# Altium PCB PCB_B1.PcbDoc (part 1 of 2) (continued)
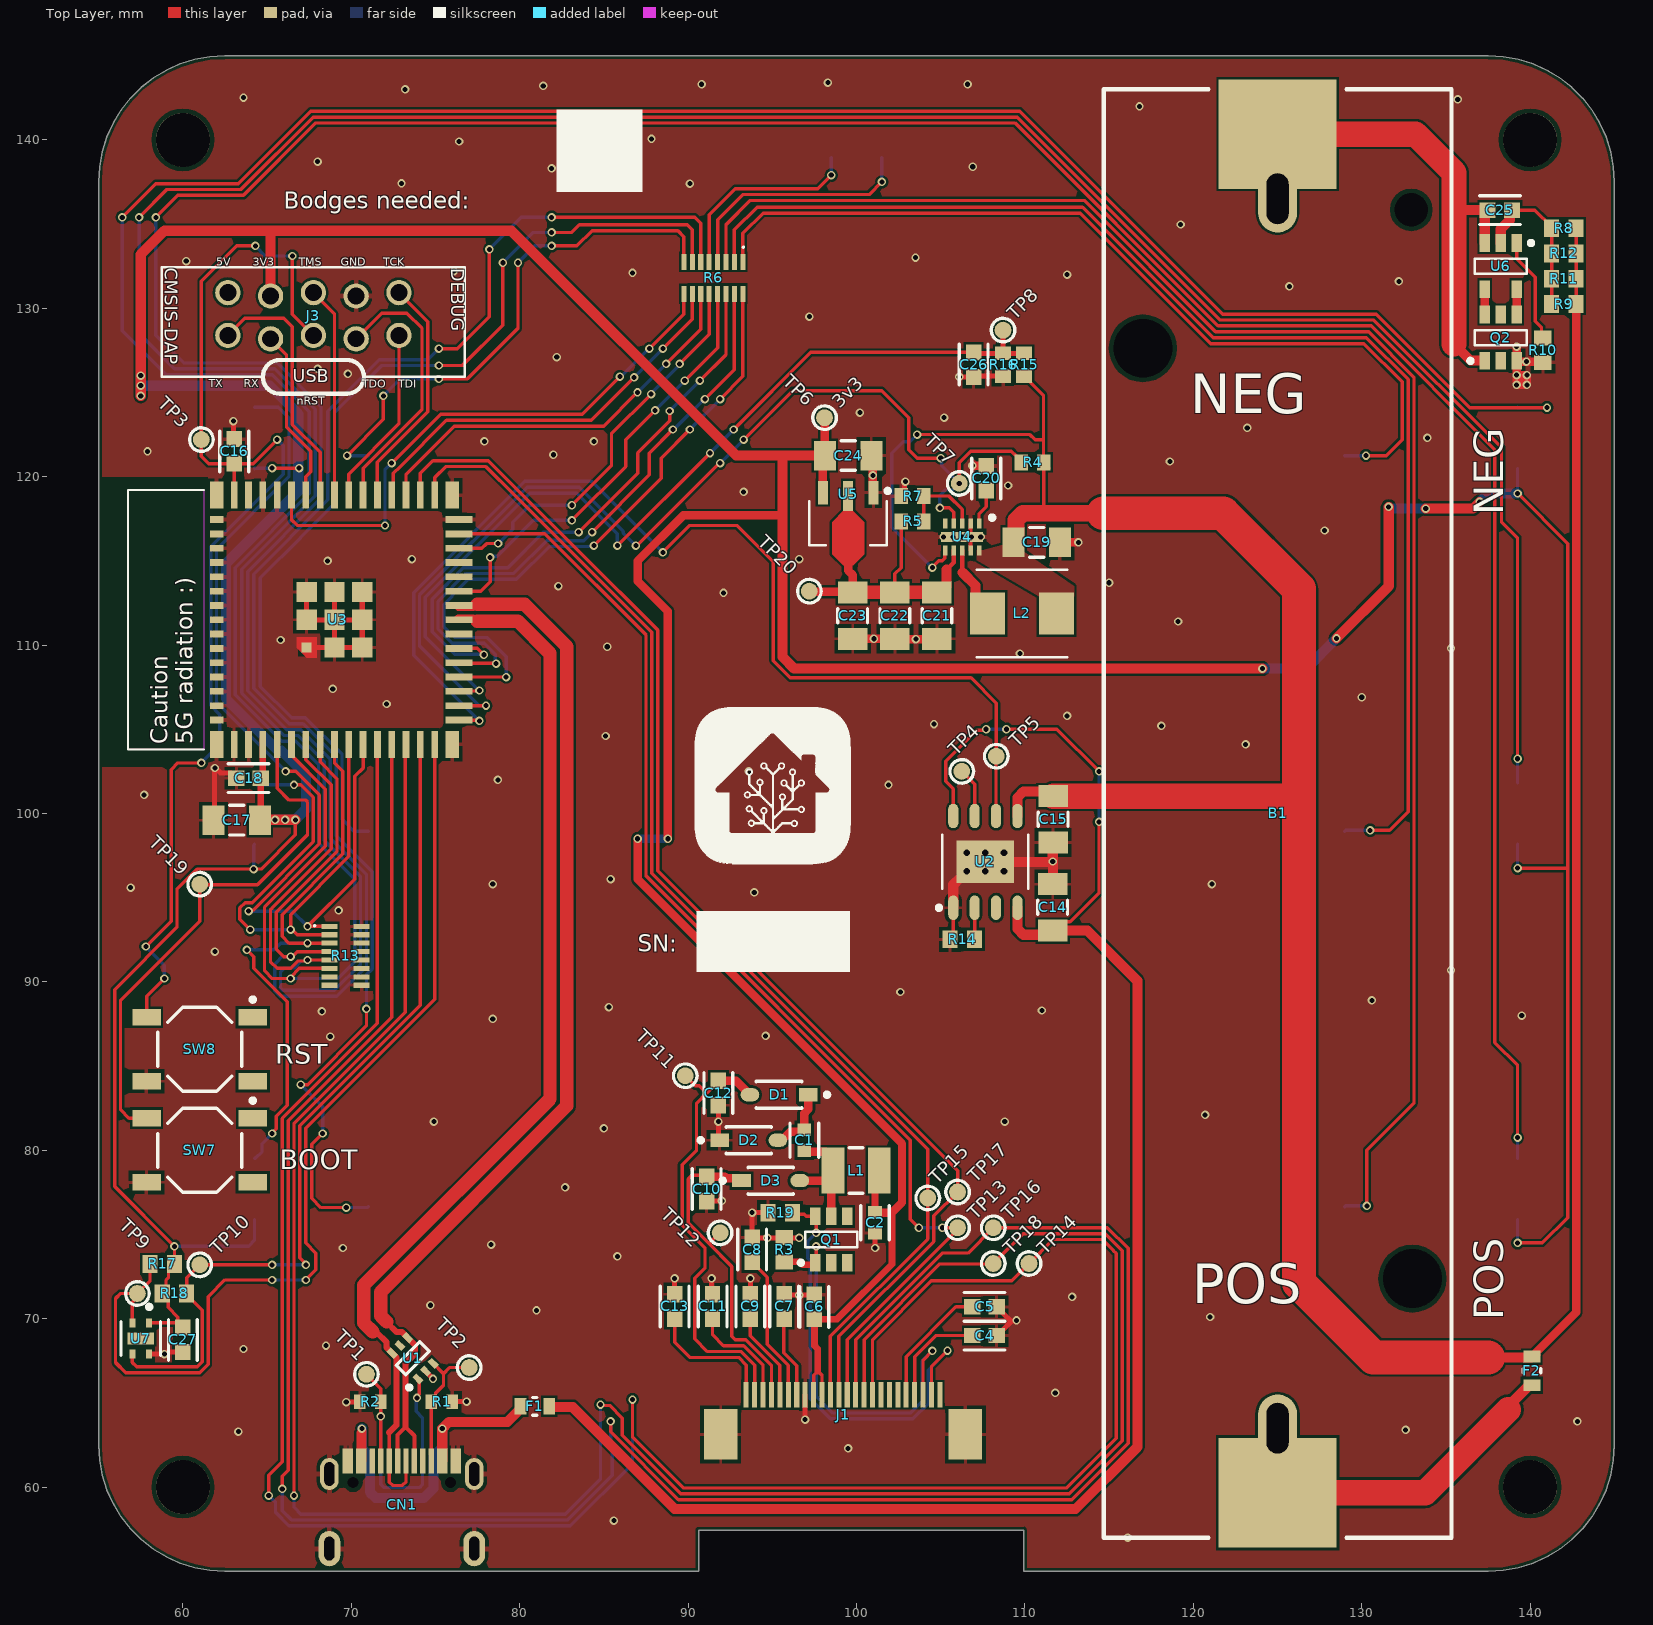
[diagram p0: Top Layer view]
## Components (designator, comment, footprint, x,y, rotation, side; value= is the part's Value field where it differs from the comment)
B1 "18650 Li-Ion Battery" "18650 SMD holder" 125,100 r90 top locked
C1 "CL10A475MA8NQNC" FP-CL10-IPC_C 96.9,80.6 r270 top
C2 "CL10A475MA8NQNC" FP-CL10-IPC_C 101.1,75.7 r270 top
C4 "CL10B105KO8NNNC" FP-CL10B105KO8NNNC-IPC_B 107.6,69 r0 top value=1uF
C5 "CL10B105KO8NNNC" FP-CL10B105KO8NNNC-IPC_B 107.6,70.7 r0 top value=1uF
C6 "CL10B105KO8NNNC" FP-CL10B105KO8NNNC-IPC_B 97.5,70.702 r90 top value=1uF
C7 "CL10B105KO8NNNC" FP-CL10B105KO8NNNC-IPC_B 95.7,70.727 r90 top value=1uF
C8 "CL10B105KO8NNNC" FP-CL10B105KO8NNNC-IPC_B 93.8,74.1 r90 top value=1uF
C9 "CL10B105KO8NNNC" FP-CL10B105KO8NNNC-IPC_B 93.7,70.727 r90 top value=1uF
C10 "CL10B105KO8NNNC" FP-CL10B105KO8NNNC-IPC_B 91.1,77.7 r270 top value=1uF
C11 "CL10B105KO8NNNC" FP-CL10B105KO8NNNC-IPC_B 91.45,70.727 r90 top value=1uF
C12 "CL10B105KO8NNNC" FP-CL10B105KO8NNNC-IPC_B 91.8,83.4 r270 top value=1uF
C13 "CL10B105KO8NNNC" FP-CL10B105KO8NNNC-IPC_B 89.2,70.727 r90 top value=1uF
C14 "CL31A226KOHNNNE" FP-CL31-IPC_B 111.65,94.425 r90 top
C15 "CL31A226KOHNNNE" FP-CL31-IPC_B 111.675,99.65 r270 top
C16 "CL10B105KO8NNNC" FP-CL10B105KO8NNNC-IPC_B 63.05,121.502 r90 top value=1uF
C17 "CL31A226KOHNNNE" FP-CL31-IPC_B 63.2,99.6 r180 top
C18 "CL10B105KO8NNNC" FP-CL10B105KO8NNNC-IPC_B 63.9,102.1 r180 top value=1uF
C19 "CL31A226KOHNNNE" FP-CL31-IPC_B 110.7,116.1 r0 top
C20 "CL10B105KO8NNNC" FP-CL10B105KO8NNNC-IPC_B 107.7,119.9 r90 top value=1uF
C21 "CL31A226KOHNNNE" FP-CL31-IPC_B 104.775,111.75 r270 top
C22 "CL31A226KOHNNNE" FP-CL31-IPC_B 102.275,111.75 r270 top
C23 "CL31A226KOHNNNE" FP-CL31-IPC_B 99.775,111.75 r270 top
C24 "CL31A226KOHNNNE" FP-CL31-IPC_B 99.5,121.25 r0 top
C25 "CL10B105KO8NNNC" FP-CL10B105KO8NNNC-IPC_B 138.2,135.825 r180 top value=1uF
C26 "CL10B105KO8NNNC" FP-CL10B105KO8NNNC-IPC_B 106.95,126.65 r270 top value=1uF
C27 "CL10B105KO8NNNC" FP-CL10B105KO8NNNC-IPC_B 60,68.75 r270 top value=1uF
CN1 "XKB U262-161N-4BVC11" "XKB U262-161N-4BVC11" 73,54 r0 top
D1 "MBR0530" FP-425-04-IPC_B 95.4,83.3 r180 top
D2 "MBR0530" FP-425-04-IPC_B 93.6,80.6 r0 top
D3 "MBR0530" FP-425-04-IPC_B 94.9,78.2 r0 top
F1 "3A" FP-MF-FSMF-MFG 80.9,64.8 r180 top
F2 "3A" FP-MF-FSMF-MFG 140.1,66.9 r90 top
J1 "XFCN F0501-T-24-20T-R" "XFCN F0501-T-24-20T-R" 99.2,65.7 r0 top locked
J3 "DEBUG" "muselab cmsis-dap frictionfit" 67.75,130.925 r270 top
L1 "CMI322513J680MT" FP-DFE322512C-IPC_B 99.976,78.8 r180 top value=68uH
L2 "MCS0530-4R7MN2" MCS0530-4R7MN2 109.825,111.875 r180 top
LED1 "NCD0805W1" 0805_A 129,122.3 r270 bottom locked
LED2 "NCD0805W1" 0805_A 129,100 r270 bottom
LED3 "NCD0805W1" 0805_A 129,77.7 r270 bottom locked
LED4 "NCD0805W1" 0805_A 71,122.3 r270 bottom locked
LED5 "NCD0805W1" 0805_A 71,100 r270 bottom locked
LED6 "NCD0805W1" 0805_A 71,77.7 r270 bottom locked
LED7 "NCD0805W1" 0805_A 98.5,140 r270 bottom locked
LED8 "NCD0805W1" 0805_A 101.5,140 r270 bottom locked
Q1 "DMG6968UDM" "Diodes Inc SOT26" 98.5,74.7 r90 top
Q2 "DMG6968UDM" "Diodes Inc SOT26" 138.25,128.25 r90 top
R1 "ERJ-3EKF5101V" RESC1608X55X30LL15T15 75.375,65.075 r180 top value=5k1
R2 "ERJ-3EKF5101V" RESC1608X55X30LL15T15 71.125,65.075 r0 top value=5k1
R3 "ERJ-3GEYJ3R0V" RESC1608X55X30ML15T15 95.7,74.1 r270 top value=3R
R4 "ERJ-3EKF1004V" RESC1608X55X30NL15T15 110.45,120.85 r0 top value=1M
R5 "ERJ-3EKF1503V" RESC1608X55X30NL15T15 103.325,117.35 r180 top value=150k
R6 "EXB-2HV330JV" PNSC-EXB-2HV330JV-8_M 91.5,131.8 r270 top
R7 "ERJ-3EKF1004V" RESC1608X55X30NL15T15 103.325,118.85 r0 top value=1M
R8 "ERJ-3EKF1501V" RESC1608X55X30ML15T15 142,134.75 r180 top value=1k5
R9 "ERJ-3EKF1501V" RESC1608X55X30ML15T15 142,130.25 r180 top value=1k5
R10 "ERJ-3EKF1501V" RESC1608X55X30ML15T15 140.75,127.5 r90 top value=1k5
R11 "ERJ-3EKF1501V" RESC1608X55X30ML15T15 142,131.75 r180 top value=1k5
R12 "ERJ-3EKF1501V" RESC1608X55X30ML15T15 142,133.25 r180 top value=1k5
R13 "EXB2HV333JV" PNSC-EXB-2HV330JV-8_M 69.65,91.55 r0 top
R14 "ERJ-3EKF1501V" RESC1608X55X30ML15T15 106.275,92.525 r0 top value=1k5
R15 "ERJ-3EKF1004V" RESC1608X55X30NL15T15 109.95,126.65 r270 top value=1M
R16 "ERJ-3EKF1004V" RESC1608X55X30NL15T15 108.7,126.65 r90 top value=1M
R17 "ERJ-3EKF1501V" RESC1608X55X30ML15T15 58.775,73.25 r0 top value=1k5
R18 "ERJ-3EKF1501V" RESC1608X55X30ML15T15 59.5,71.5 r180 top value=1k5
R19 "ERJ-3EKF1501V" RESC1608X55X30ML15T15 95.475,76.3 r0 top value=1k5
SW1 "Alps SKRB" "Alps SKRB" 137.5,122.3 r180 bottom
SW2 "Alps SKRB" "Alps SKRB" 137.5,100 r180 bottom
SW3 "Alps SKRB" "Alps SKRB" 137.5,77.7 r180 bottom
SW4 "Alps SKRB" "Alps SKRB" 62.5,77.7 r180 bottom
SW5 "Alps SKRB" "Alps SKRB" 62.5,100 r180 bottom
SW6 "Alps SKRB" "Alps SKRB" 62.5,122.3 r180 bottom
SW7 "TS-1187A-B-A-B" ESWI-TL3342F160QG_V 61,80 r270 top locked
SW8 "TS-1187A-B-A-B" ESWI-TL3342F160QG_V 61,86 r270 top locked
TP1 "test point 1.5mm" TP1_FULL 70.9,66.7 r90 top
TP2 "test point 1.5mm" TP1_FULL 77,67.1 r90 top
TP3 "test point 1.5mm" TP1_FULL 61.1,122.2 r90 top
TP4 "test point 1.5mm" TP1_FULL 106.25,102.5 r90 top
TP5 "test point 1.5mm" TP1_FULL 108.3,103.4 r90 top
TP6 "test point 1.5mm" TP1_FULL 98.1,123.5 r90 top
TP7 "test point 1.5mm" TP1_FULL 106.1,119.6 r90 top
TP8 "test point 1.5mm" TP1_FULL 108.7,128.7 r90 top
TP9 "test point 1.5mm" TP1_FULL 57.3,71.5 r90 top
TP10 "test point 1.5mm" TP1_FULL 61,73.2 r90 top
TP11 "test point 1.5mm" TP1_FULL 89.832,84.428 r90 top
TP12 "test point 1.5mm" TP1_FULL 91.9,75.1 r90 top
TP13 "test point 1.5mm" TP1_FULL 106,75.4 r225 top
TP14 "test point 1.5mm" TP1_FULL 110.243,73.279 r225 top
TP15 "test point 1.5mm" TP1_FULL 104.232,77.168 r225 top
TP16 "test point 1.5mm" TP1_FULL 108.121,75.4 r225 top
TP17 "test point 1.5mm" TP1_FULL 106,77.521 r225 top
TP18 "test point 1.5mm" TP1_FULL 108.121,73.279 r225 top
TP19 "test point 1.5mm" TP1_FULL 61,95.8 r90 top
TP20 "test point 1.5mm" TP1_FULL 97.2,113.2 r90 top
U1 "PUSB2X4Y" SOT363 73.65,67.65 r135 top
U2 "TP4056" "Generic SOP8-PP" 107.65,97.125 r90 top
U3 "ESP32-S2-MINI-1" XCVR_ESP32-S2-MINI-1 69,111.5 r90 top
U4 "BU33UV7NUX-E2" VSON010X3020 106.275,116.425 r180 top
U5 "HE9073" "Generic SOT89-3" 99.5,117.25 r270 top
U6 "AP9101C" "Diodes Inc SOT25" 138.25,132.5 r270 top
U7 "SHTC3" FP-SHTC3-MFG 57.5,68.825 r270 top

## Footprints (in the part's own frame and the unit in brackets; to place one, negate y for a bottom-side part, rotate by r counter-clockwise, add the part's x,y. Pads: shape width x height; smd on the part's side, far side on the other; paste and mask are expansions set on the pad)
0805_A [mm] "Chip LED, 2-Leads, Body 2.0x1.3mm, IPC Medium Density"
  rect 1.1x1.2 smd: 1(-1.05,0) 2(1.05,0)
  silkscreen extent -0.15,-0.5 0.15,0.5, body extent -1,-0.63 1,0.63, height 0.68
"18650 SMD holder" [mm] "18650 SMD + THT holder"
  round 0 hole 2 unplated: H1(35.839,-7.937)
  round 0 hole 3.5 unplated: H2(27.623,8.001) H3(-27.623,-8.001)
  oval 4x2.3 hole 1.3 slot 3 at 0 deg: NEG(36.5,0) POS(-36.5,0)
  rect 6.5x7 smd: NEG(40.334,0) POS(-40.334,0)
  silkscreen extent -43,-10.33 43,10.33, body extent -43,-10.33 43,10.33, height 14.86
"Alps SKRB" [mm] "Alps SKRB SMD tactile button"
  rect 1.5x1 smd mask+0.05: 1(-1.75,1.825) 2(-1.75,-1.825) 3(1.75,1.825) 4(1.75,-1.825)
  silkscreen extent -2.5,-2.5 2.5,2.5, body extent -2.4,-2.4 2.4,2.4, height 0.55
"Diodes Inc SOT25" [mm] "SOT23, 5-Leads, Body 3.00x2.85mm, Pitch 0.95mm, IPC Medium Density"
  rect 1.05x0.6 smd: 1(-1.375,0.95) 2(-1.375,0) 3(-1.375,-0.95) 4(1.375,-0.95) 5(1.375,0.95)
  silkscreen extent -1.5,-1.55 0.45,1.93, body extent -1.5,-1.55 1.5,1.55, height 1.3
"Diodes Inc SOT26" [mm]
  rect 1.05x0.6 smd: 1(-1.375,0.95) 2(-1.375,0) 3(-1.375,-0.95) 4(1.375,-0.95) 5(1.375,0) 6(1.375,0.95)
  silkscreen extent -1.5,-1.55 0.45,1.92, body extent -1.5,-1.55 1.5,1.55, height 1.3
ESWI-TL3342F160QG_V [mm] "SMD, 4-Leads, Body 5x5mm, Pitch 6.3mm"
  rect 1x1.7 smd: 1(-1.9,3.15) 2(-1.9,-3.15) 3(1.9,3.15) 4(1.9,-3.15)
  silkscreen extent -3.07,-2.5 2.5,3.28, body extent -2.5,-2.5 2.5,2.5, height 1.5
FP-425-04-IPC_B [mm]
  rect 1.108x0.782 smd paste+0 mask+0: 1(-1.73,0)
  rrect100% 1.108x0.782 smd paste+0 mask+0: 2(1.73,0)
  silkscreen extent -2.97,-0.8 1.35,0.8
FP-CL10-IPC_C [mm]
  rect 0.758x0.812 smd paste+0 mask+0: 1(-0.627,0) 2(0.627,0)
  silkscreen extent -1.01,-0.85 1.01,0.85, body extent -1.11,-0.55 1.11,0.55, height 0.25
FP-CL10B105KO8NNNC-IPC_B [mm]
  rect 0.958x0.912 smd paste+0 mask+0: 1(-0.727,0) 2(0.727,0)
  silkscreen extent -1.21,-0.86 1.21,0.86, body extent -1.46,-0.71 1.46,0.71, height 0.25
FP-CL31-IPC_B [mm]
  rect 1.305x1.758 smd paste+0 mask+0: 1(-1.376,0) 2(1.376,0)
  silkscreen extent -0.42,-0.88 0.42,0.88, body extent -2.28,-1.13 2.28,1.13, height 0.25
FP-DFE322512C-IPC_B [mm]
  rect 1.355x2.706 smd paste+0 mask+0: 1(-1.376,0) 2(1.376,0)
  silkscreen extent -0.4,-1.35 0.4,1.35, body extent -2.3,-1.6 2.3,1.6, height 0.25
FP-MF-FSMF-MFG [mm]
  rect 0.7x1 smd paste+0 mask+0: 1(-0.85,0) 2(0.85,0)
  silkscreen extent -0.13,-0.53 0.13,0.53, body extent -1.3,-0.63 1.3,0.63, height 0.25
FP-SHTC3-MFG [mm]
  rect 0.55x0.35 smd paste-1000 mask-1000: 1(-0.925,0.5) 2(-0.925,-0.5) 3(0.925,-0.5) 4(0.925,0.5)
  rect 0.7x1.6 smd paste-1000 mask+0: 5(0,0)
  silkscreen extent -2,-1.17 1,1.18, body extent -1.4,-1.1 1.4,1.1, height 0.25
"Generic SOP8-PP" [mm] "generic SOP8-PP for TP4056"
  oval 1.45x0.6 smd: 1(-2.725,1.905) 2(-2.725,0.635) 3(-2.725,-0.635) 4(-2.725,-1.905) 5(2.725,-1.905) 6(2.725,-0.635) 7(2.725,0.635) 8(2.725,1.905)
  rect 2.52x3.41 smd: 9(0,0)
  silkscreen extent -2.85,-2.55 1.6,2.88, body extent -3,-2.55 3,2.55, height 1.75
"Generic SOT89-3" [mm] "SOT89, 3-Leads, Body 4.50x2.45mm, Pitch 1.50mm, Lead Span 4.1mm, IPC Medium Density"
  rect 1.4x0.6 smd: 1(-1.8,1.5) 3(-1.8,-1.5)
  rect 1.8x0.6 smd: 2(-1.6,0)
  Top Layer region: -0.75,0.25 -0.05,0.95 1.85,0.95 2.5,0.3 2.5,-0.3 1.85,-0.95 -0.05,-0.95 -0.75,-0.25
  silkscreen extent -2.03,-2.3 1.32,2.48, body extent -2.2,-2.3 1.85,2.3, height 1.6
MCS0530-4R7MN2 [mm] "SMD power inductor 5A Isat"
  rect 2.1x2.5 smd: 1(-2.05,0) 2(2.05,0)
  silkscreen extent -2.7,-2.6 2.7,2.6, body extent -2.7,-2.6 2.7,2.6, height 3
"muselab cmsis-dap frictionfit" [mm]
  round 1.5 hole 1: 1(0,5.08) 2(0.2,2.54) 3(0,0) 4(0.2,-2.54) 5(0,-5.08) 6(2.54,-5.08) 7(2.74,-2.54) 8(2.54,0) 9(2.74,2.54) 10(2.54,5.08)
  silkscreen extent -1.5,-9 6,9
PNSC-EXB-2HV330JV-8_M [mm] "Chip Array, ConvexE, 16-Leads, Pitch 0.50mm,  Body 3.80x1.60mm,  IPC Low Density"
  rect 0.95x0.3 smd: 1(-0.95,1.75) 2(-0.95,1.25) 3(-0.95,0.75) 4(-0.95,0.25) 5(-0.95,-0.25) 6(-0.95,-0.75) 7(-0.95,-1.25) 8(-0.95,-1.75) 9(0.95,-1.75) 10(0.95,-1.25) 11(0.95,-0.75) 12(0.95,-0.25) 13(0.95,0.25) 14(0.95,0.75) 15(0.95,1.25) 16(0.95,1.75)
  silkscreen extent -1.87,1.73 -1.78,1.83, body extent -0.9,-1.95 0.9,1.95, height 0.55
RESC1608X55X30LL15T15 [mm] "Chip Resistor, 2-Leads, Body 1.60x0.80mm, IPC High Density"
  rect 0.7x0.85 smd: 1(-0.625,0) 2(0.625,0)
  body extent -0.87,-0.48 0.87,0.48, height 0.55
RESC1608X55X30ML15T15 [mm] "Chip Resistor, 2-Leads, Body 1.60x0.80mm, IPC Low Density"
  rect 0.9x1.05 smd: 1(-0.725,0) 2(0.725,0)
  body extent -0.87,-0.48 0.87,0.48, height 0.55
RESC1608X55X30NL15T15 [mm] "Chip Resistor, 2-Leads, Body 1.60x0.80mm, IPC Medium Density"
  rect 0.8x0.95 smd: 1(-0.675,0) 2(0.675,0)
  body extent -0.87,-0.48 0.87,0.48, height 0.55
SOT363 [mm]
  rect 0.6x0.35 smd: 1(-1.075,0.65) 2(-1.075,0) 3(-1.075,-0.65) 4(1.075,-0.65) 5(1.075,0) 6(1.075,0.65)
  silkscreen extent -1.2,-1 0.4,1.5, body extent -1.13,-1 1.13,1, height 1.05
TP1_FULL [mm]
  round 1 smd paste-0.5: 1(0,0)
  silkscreen extent -0.7,-0.7 0.7,0.7
VSON010X3020 [mm] "VSON010X3020 for BU33UV7NUX-E2"
  rect 0.27x0.6 smd: 1(-1,-0.8) 2(-0.5,-0.8) 3(0,-0.8) 4(0.5,-0.8) 5(1,-0.8) 6(1,0.8) 7(0.5,0.8) 8(0,0.8) 9(-0.5,0.8) 10(-1,0.8)
  rect 2.49x0.6 smd: PAD(0,0)
  silkscreen extent -1.91,-1.27 -1.65,-1.02, body extent -1.5,-1 1.5,1, height 0.55
XCVR_ESP32-S2-MINI-1 [mm]
  rect 1.6x0.4 smd: 1(-7.4,5.95) 2(-7.4,5.1) 3(-7.4,4.25) 4(-7.4,3.4) 5(-7.4,2.55) 6(-7.4,1.7) 7(-7.4,0.85) 8(-7.4,0) 9(-7.4,-0.85) 10(-7.4,-1.7) 11(-7.4,-2.55) 12(-7.4,-3.4) 13(-7.4,-4.25) 14(-7.4,-5.1) 15(-7.4,-5.95) 31(7.4,-5.95) 32(7.4,-5.1) 33(7.4,-4.25) 34(7.4,-3.4) 35(7.4,-2.55) 36(7.4,-1.7) 37(7.4,-0.85) 38(7.4,0) 39(7.4,0.85) 40(7.4,1.7) 41(7.4,2.55) 42(7.4,3.4) 43(7.4,4.25) 44(7.4,5.1) 45(7.4,5.95)
  rect 0.4x1.6 smd: 16(-5.95,-7.4) 17(-5.1,-7.4) 18(-4.25,-7.4) 19(-3.4,-7.4) 20(-2.55,-7.4) 21(-1.7,-7.4) 22(-0.85,-7.4) 23(0,-7.4) 24(0.85,-7.4) 25(1.7,-7.4) 26(2.55,-7.4) 27(3.4,-7.4) 28(4.25,-7.4) 29(5.1,-7.4) 30(5.95,-7.4)
  rect 0.4x0.8 smd: 46(5.95,7) 47(5.1,7) 48(4.25,7) 49(3.4,7) 50(2.55,7) 51(1.7,7) 52(0.85,7) 53(0,7) 54(-0.85,7) 55(-1.7,7) 56(-2.55,7) 57(-3.4,7) 58(-4.25,7) 59(-5.1,7) 60(-5.95,7)
  rect 1.2x1.2 smd: 61(0,0) 61_1(-1.65,0) 61_2(-1.65,-1.65) 61_3(0,-1.65) 61_4(1.65,-1.65) 61_5(1.65,0) 61_6(1.65,1.65) 61_7(0,1.65)
  rect 0.6x0.6 smd paste-1 mask+0: 61_8(-1.65,1.65)
  rect 1.6x0.8 smd: 62(-7.4,7) 63(-7.4,-7) 64(7.4,-7) 65(7.4,7)
  Top Layer region: -1.05,1.05 -2.25,1.05 -2.25,1.65 -1.65,2.25 -1.05,2.25
  Keep-Out Layer region: 7.7,7.75 -7.7,7.75 -7.7,12.25 7.7,12.25
  Keep-Out Layer region: 7.7,7.75 -7.7,7.75 -7.7,12.25 7.7,12.25
  silkscreen extent -7.7,7.75 7.7,12.25, body extent -7.7,-7.75 7.7,12.25, height 2.55
"XFCN F0501-T-24-20T-R" [mm]
  rect 0.3x1.5 smd mask+0.05: 1(5.75,-0.219) 2(5.25,-0.219) 3(4.75,-0.219) 4(4.25,-0.219) 5(3.75,-0.219) 6(3.25,-0.219) 7(2.75,-0.219) 8(2.25,-0.219) 9(1.75,-0.219) 10(1.25,-0.219) 11(0.75,-0.219) 12(0.25,-0.219) 13(-0.25,-0.219) 14(-0.75,-0.219) 15(-1.25,-0.219) 16(-1.75,-0.219) 17(-2.25,-0.219) 18(-2.75,-0.219) 19(-3.25,-0.219) 20(-3.75,-0.219) 21(-4.25,-0.219) 22(-4.75,-0.219) 23(-5.25,-0.219) 24(-5.75,-0.219)
  rect 2x3 smd: MP1(-7.265,-2.569) MP2(7.265,-2.569)
  body extent -8.25,-5.22 8.25,0, height 2.15
"XKB U262-161N-4BVC11" [mm] "USB Type-C connector XKB  U262-161N-4BVC11"
  rect 0.32x1.5 smd mask+0.05: A1(-3.35,7.55) A4(-2.55,7.55) A5(-1.25,7.55) A6(-0.25,7.55) A7(0.25,7.55) A8(1.25,7.55) A9(2.55,7.55) A12(3.35,7.55) B1(3.05,7.55) B4(2.25,7.55) B5(1.75,7.55) B6(0.75,7.55) B7(-0.75,7.55) B8(-1.75,7.55) B9(-2.25,7.55) B12(-3.05,7.55)
  round 0 hole 0.65 unplated mask+0.05: H1(-2.89,6.28) H2(2.89,6.28)
  oval 1.1x1.9 hole 0.6 slot 1.4 at 90 deg mask+0.05: SHELL1(-4.3,6.78) SHELL2(4.3,6.78)
  oval 1.3x2.1 hole 0.6 slot 1.4 at 90 deg mask+0.05: SHELL3(-4.3,2.35) SHELL4(4.3,2.35)
  body extent -4.45,0.05 4.45,7.61, height 3.3

## Part data
B1: "Lithium 18650 battery cell"
C1 C2: library part CMP-13271-002939-1, "Cap Ceramic 4.7uF 25V X5R ±20% Pad SMD 0603 +85°C T/R", Capacitance=4.7uF, Case Code (Imperial)=0603, Case Code (Metric)=1608, Dielectric=X5R, LCSC=C913907, Max Operating Temperature=85°C, Min Operating Temperature=-55°C, Package Quantity=1, Tolerance=20%, Voltage Rating=25V, Case/Package=0603, Lead Free="Lead Free", Length=0.063inch, Mount="Surface Mount", Packaging="Tape and Reel", Thickness=0.035inch, Width=0.031inch
C4 C5 C6 C7 C8 C9 C10 C11 C12 C13 C16 C18 C20 C25 C26 C27: library part CMP-2000-06093-2, "CAP CER 1UF 16V X7R 0603", Capacitance=1uF, LCSC=C59782, Manufacturer="Samsung Electro-Mechanics America, Inc", Temperature="-55°C to +125°C", Temperature Characteristic=X7R, Temperature Coefficient=15%, Temperature Range High=+125°C, Temperature Range Low=-55°C, Tolerance=10%, Voltage Rating=16V, Automotive=No, Category=Cap, ComponentLink2Description=Datasheet, ComponentLink2URL=http://www.samsungsem.com/global/front/downloadcms.do?path=%2F%2Fglobal%2F%2Fsupport%2F%2Fproduct-search%2F%2Fmlcc%2F%2F__icsFiles%2F%2Fafieldfile%2F%2F2019%2F%2F06%2F%2F18&fileName=CL10B105KO8NNNC-19.pdf, Device Class L1="Passive Components", Device Class L2=Capacitors, Device Class L3="Ceramic Capacitors", Digikey Description="CAP CER 1UF 16V X7R 0603", Height=0.9mm, Ipc Land Pattern Name=CAPC16080X80, Lead Free=Yes, Manufacturer Part Number=CL10B105KO8NNNC, Material=Ceramic, Octopart=https://octopart.com/cl10b105ko8nnnc-samsung-19018973, Package=CL10B105KO8NNNC, RoHS=TRUE
C14 C15 C17 C19 C21 C22 C23 C24: library part CMP-13271-002604-1, "Cap Ceramic 22uF 16V X5R ±10% SMD 1206 +85°C Embossed T/R", Capacitance=22uF, Case Code (Imperial)=1206, Case Code (Metric)=3216, Dielectric=X5R, LCSC=C90146, Max Operating Temperature=85°C, Min Operating Temperature=-55°C, Package Quantity=1, Tolerance=10%, Voltage Rating=16V, Case/Package=1206, Depth=1.6mm, Height=1.6mm, Lead Free="Lead Free", Length=3.2mm, Mount="Surface Mount", Packaging="Tape and Reel", Radiation Hardening=No, Thickness=0.071inch, Voltage Rating (DC)=16V, Width=0.063inch
CN1: "USB Type-C connector, USB-2.0, 16 pins", LCSC=C319148
D1 D2 D3: library part CMP-2000-05113-2, "DIODE SCHOTTKY 30V 500MA SOD123", Average Rectified Current=500mA, Forward Voltage=430mV, LCSC=C77336, Max Forward Surge Current (Ifsm)=5.5A, Max Operating Temperature=150°C, Max Repetitive Reverse Voltage (Vrrm)=30V, Max Reverse Leakage Current=130uA, Min Operating Temperature=-65°C, Package Quantity=1, Contact Plating=Tin, Current Rating=500mA, Element Configuration=Single, Forward Current=500mA, Height=1.03mm, Lead Free="Lead Free", Length=2.7mm, Max Reverse Voltage (DC)=30V, Max Surge Current=5.5A, Mount="Surface Mount", Number of Pins=2, Output Current=500mA, Packaging="Tape and Reel", Peak Non-Repetitive Surge Current=5.5A, Peak Reverse Current=130uA, Polarity=Standard, Radiation Hardening=No, REACH SVHC="No SVHC", Voltage Rating (DC)=30V, Weight=0.03g, Width=1.6mm
F1 F2: library part CMP-07400-000010-1, "06H1300D", LCSC=C182440
J1: "XFCN F0501-T-24-20T-R 0.5mm fpc top contacts, slide retentioner", LCSC=C840496
J3: library part "MuseLab CMSIS-DAP probe receiving connector"
L1: library part CMP-06042-000782-1, "CMI322513J680MT 1210 chip SMD inductor 68uH", LCSC=C401470
L2: "SMD Power inductior, 4.7uH, 5A Isat", LCSC=C2836880, ComponentLink1Description=Datasheet, ComponentLink1URL=https://datasheet.lcsc.com/lcsc/2202131930_PSA-Prosperity-Dielectrics-MCS0530-4R7MN2_C2836880.pdf
LED1 LED2 LED3 LED4 LED5 LED6 LED7 LED8: library part CMP-1426-00010-1, "Foshan NationStar Optoelectronics NCD0805W1 / approx 7700k cool white", Color="Cool white", LCSC=C110099, Manufacturer="Foshan NationStar", ComponentLink2Description=Datasheet, ComponentLink2URL=https://datasheet.lcsc.com/lcsc/2008201033_Foshan-NationStar-Optoelectronics-NCD0805W1_C110099.pdf, PackageReference=0805_A, PartNumber=NCD0805W1
Q1 Q2: "Dual N-Channel MOSFET, common drain, enhancement mode", LCSC=C151635
R1 R2: library part CMP-2000-00540-1, LCSC=C123727, Manufacturer=Panasonic, Part Number=ERJ-3EKF5101V
R3: library part CMP-2000-00787-1, LCSC=C403494, Manufacturer=Panasonic, Part Number=ERJ-3GEYJ3R0V
R4 R7 R15 R16: library part CMP-1012-00849-2, LCSC=C193390, Manufacturer=Panasonic, Part Number=ERJ-3EKF1004V
R5: library part CMP-1012-00754-2, LCSC=C402995, Manufacturer=Panasonic, Part Number=ERJ-3EKF1503V
R6: library part CMP-2000-06234-1, "Chip Resistor Array, 33 Ohm, +/- 5%, 62.5 mW, -55 to 125 degC, 16-Pin SMD (1506), RoHS, Taping", LCSC=C713459, Manufacturer=Panasonic, Package Description="16-Pin Surface Mount Device, Body 3.8 x 1.6 mm, Pitch 0.5 mm", Package Reference=1506, Power Dissipation=0.063W, Resistance=33O, Tolerance (%)=±5%, Datasheet URL=https://industrial.panasonic.com/cdbs/www-data/pdf/AOC0000/AOC0000CE4.pdf, Datasheet Version=04/2015, Manufacturer URL=http://www.panasonic.com/, Mounting Technology=SurfaceMount, No of Elements=8, Size Code=0402
R8 R9 R10 R11 R12 R14 R17 R18 R19: library part CMP-1012-00528-2, LCSC=C193392, Manufacturer=Panasonic, Part Number=ERJ-3EKF1501V
R13: library part CMP-2000-06234-1, "Chip Resistor Array, 33k Ohm, +/- 5%, 62.5 mW, -55 to 125 degC, 16-Pin SMD (1506), RoHS, Taping", LCSC=C713460, Manufacturer=Panasonic, Package Description="16-Pin Surface Mount Device, Body 3.8 x 1.6 mm, Pitch 0.5 mm", Package Reference=1506, Power Dissipation=0.063W, Resistance=33k, Tolerance (%)=±5%, Datasheet URL=https://industrial.panasonic.com/cdbs/www-data/pdf/AOC0000/AOC0000CE4.pdf, Datasheet Version=04/2015, Manufacturer URL=http://www.panasonic.com/, Mounting Technology=SurfaceMount, No of Elements=8, Size Code=0402
SW1 SW2 SW3 SW4 SW5 SW6: "SKRB series SMD tactile button Alps Alpine", LCSC=C139790, ComponentLink1Description=Datasheet, ComponentLink1URL=https://tech.alpsalpine.com/prod/e/html/tact/surfacemount/skrb/skrbake010.html, Variant=SKRBAKE010
SW7 SW8: library part CMP-1696-00003-1, "XKB TS-1187A-B-A-B C318884", LCSC=C318884
TP1 TP2 TP3 TP4 TP5 TP6 TP7 TP8 TP9 TP10 TP11 TP12 TP13 TP14 TP15 TP16 TP17 TP18 TP19 TP20: library part "Test Point", "Test point ,1.5mm diameter, no hole", Category=testpoints
U1: "ESD Protection Device, 3.8 V, SC-88, 6 Pins, PUSB2 Series", Case=SOT363, Clamping Voltage=3.8V, LCSC=C2905617, Manufacturer=Multicomp, Category="diode array", Dealer=Farnell, Dealer number=2400968, HelpURL=https://www.farnell.com/datasheets/1801208.pdf, Manufacturer Number=PUSB2X4Y, Price=0.174, Technology=SMT
U2: "1s Lithium linear battery charger, 1A output", LCSC=C382139, ComponentLink1Description=Datasheet, ComponentLink1URL=https://static.chipdip.ru/lib/977/DOC002977110.pdf
U3: "WiFi 802.11b/g/n Transceiver Module 2.412GHz ~ 2.484GHz Antenna Not Included Surface Mount", LCSC=C2847294, Package="NON STANDARD-65 Espressif Systems", Availability="In Stock", Check_prices=https://www.snapeda.com/parts/ESP32-S2-MINI-1/Espressif+Systems/view-part/?ref=eda, MF="Espressif Systems", MP=ESP32-S2-MINI-1, Price=None, Purchase-URL=https://pricing.snapeda.com/search/part/ESP32-S2-MINI-1/?ref=eda, SnapEDA_Link=https://www.snapeda.com/parts/ESP32-S2-MINI-1/Espressif+Systems/view-part/?ref=snap
U4: "synchronous boost convertor with low / power consumption and provides a power supply for / products powered by either two-cell alkaline/NiCd/NiMH / or one-cell alkaline/Li-ion or Li-polymer battery. / Output currents can go as high as 500mA(VIN=1.8V)", LCSC=C181966, ComponentLink1Description=Datasheet, ComponentLink1URL=https://eu.mouser.com/datasheet/2/348/bu33uv7nux-e-1874391.pdf
U5: "0.3uA IQ Series / High Speed Low Noise LDO 500mA", LCSC=C723795, ComponentLink1Description=Datasheet, ComponentLink1URL=https://datasheet.lcsc.com/lcsc/2008181810_HEERMICR-HE9073A33PR_C723795.pdf, Variant=A33PR, Vout=3.3V
U6: "Li-Ion/LiPo protection IC (external mosfets)", Case (pin nums different!)=SOT-25, LCSC=C780777, ComponentLink1Description=datasheet, ComponentLink1URL=https://www.diodes.com/assets/Datasheets/AP9101C.pdf, Variant=CAK-AKTRG1
U7: library part CMP-144040-000003-1, "SENSOR HUMI/TEMP I2C 2% SMD", LCSC=C2880044, Manufacturer=Sensirion, Max Supply Voltage=3.6V, Min Supply Voltage=1.62V, Operating Supply Current=0.3-900uA, Package=0, Temperature="-40°C to +125°C", Temperature Range High=+125°C, Temperature Range Low=-40°C, Accuracy=2%, Automotive=No, Category=IC, ComponentLink2Description=Datasheet, ComponentLink2URL=https://www.sensirion.com/fileadmin/user_upload/customers/sensirion/Dokumente/0_Datasheets/Humidity/Sensirion_Humidity_Sensors_SHTC3_Datasheet.pdf, Device Class L1=Sensors, Device Class L2="Temperature and Humidity Sensors", Device Class L3=unset, Digikey Description="SENSOR HUMI/TEMP I2C 2% SMD", Height=0.75mm, Interface=I2C, Ipc Land Pattern Name=DFN200X200X75-4, Lead Free=Yes, Manufacturer Part Number=SHTC3, Mouser Description="SHTC3 Series 0 to 100% RH 3.6 V Humidity and Temperature Sensor IC - DFN-4", Octopart=https://octopart.com/shtc3-sensirion-91912225, Resolution=16bits, RoHS=TRUE, Sensor Output=I2C

## Free pads (board coordinates)
  round 3.2 hole 3.2: 1(60,140) 1(60,60) 1(140,140) 1(140,60)

## Via types
v1: diameter 0.5, hole 0.3, Top Layer to Bottom Layer, tented both sides, 269 vias
v2: diameter 0.6, hole 0.4, Top Layer to Bottom Layer, tented both sides, 6 vias

## Nets (pads, with @x,y where several pads share a name; then routed paths per layer and width w, separated by ;. In a path a pad name is that pad's centre, name@x,y a point inside that pad or via, vN(x,y) a via of type N, cw(c..) or ccw(c..) an arc to the next point about the centre after c; other vN are vias at no path point)
+3V3: C2.1 C6.1 C17.1 C18.1 C24.1 C27.1 J1.15 J1.16 J3.4 L1.1 R17.2 R18.2 SW1.2 SW2.2 SW3.2 SW4.2 SW5.2 SW6.2 TP6.1 U3.3 U5.3 U7.1 | length 356.5
  Top Layer w0.2: U7.1@58,69.75 C27.1@59.727,69.75 ; C27.1@59.739,69.761 59.704,69.796 59.704,70.096 59.125,70.675 59.125,71.15 R18.2@58.775,71.5 59,71.725 59,72.3 59.15,72.45 59.15,72.9 R17.2@59.5,73.25 v1(59.5,74.3) 55.95,77.85 55.95,89.543 59.65,93.243 59.65,95.511 60.839,96.7 v1(64.2,96.7) 64.65,96.7 66.675,98.725 v1(66.675,99.625) ; v1(65.3,120.5) v1(66.9,120.5) ; J1.16@97.45,65.481 97.45,66.65 97.7,66.9 97.95,66.65 J1.15@97.95,65.481 ; v1(139.25,74.5) 140.725,74.5 142.225,76 142.225,96.75 ; v1(139.25,96.75) 142.225,96.75 ; v1(139.25,119) 142.225,116.025 142.225,96.75
  Top Layer w0.3: C24.1@98,121.126 C24.1@98.124,121.25
  Top Layer w0.4: C17.1@64.576,99.6 C17.1@64.601,99.625 ; C17.1@64.589,99.813 64.627,99.851 C18.1@64.627,102.1 64.75,102.223 U3.3@64.75,104.5 ; 97.7,66.9 97.7,68.2 97.5,68.4 C6.1@97.5,69.975 98.839,69.975 102.1,73.236 102.1,76.3 ; C2.1@101.1,76.327 101.1,78.549 L1.1@101.351,78.8
  Top Layer w0.5: v1(87,98.5) 87,96.1 102.7,80.4 102.7,76.9 102.1,76.3 101.127,76.3 C2.1@101.1,76.327 ; v1(88.8,98.5) 88.8,112 87,113.8 87,114.99 89.71,117.7 95.6,117.7 ; U5.3@98,119.05 C24.1@98,121.126 ; TP6.1@98.1,123.5 98.112,123.488 98.112,121.262 C24.1@98.124,121.25
  Top Layer w0.6: v1(57.5,124.8) v1(57.5,125.4) v1(57.5,126) 57.5,133.2 58.9,134.6 65.2,134.6 ; C17.1@64.601,99.625 v1(65.475,99.625) v1(66.075,99.625) v1(66.675,99.625) ; J3.4@65.21,130.725 65.21,134.59 65.2,134.6 ; C24.1@98.124,121.25 95.6,121.25 ; v1(124.1,108.6) 96.3,108.6 95.6,109.3 95.6,117.7 95.6,121.25 ; v1(128.5,110.4) 131.6,113.5 v1(131.6,118.2) ; v1(133.8,118.1) 136.6,118.1 v1(137,118.5) ; 65.2,134.6 79.5,134.6 92.85,121.25 95.6,121.25
  Bottom Layer w0.2: v1(59.5,74.3) 63.9,74.3 64.25,74.65 SW4.2@64.25,75.875 ; v1(64.2,96.7) 64.2,98.125 SW5.2@64.25,98.175 ; SW6.2@64.25,120.475 64.275,120.5 v1(65.3,120.5) ; v1@66.85,120.5 v1(66.9,120.5) ; v1(139.25,74.5) SW3.2@139.25,75.875 ; v1(139.25,96.75) SW2.2@139.25,98.175 ; v1(139.25,119) SW1.2@139.25,120.475
  Bottom Layer w0.5: v1(87,98.5) v1(88.8,98.5)
  Bottom Layer w0.6: v1(57.5,124.8) v1(57.5,125.4) ; v1(57.5,126) v1(57.5,125.4) ; v1(65.475,99.625) v1(66.075,99.625) v1(66.675,99.625) 67.3,100.25 67.3,102.29 65.862,103.728 65.65,103.728 62.55,106.828 62.55,114.828 66.85,119.128 66.85,120.5 66.85,123.728 65.178,125.4 v1(57.5,125.4) ; v1(124.1,108.6) 126.7,108.6 v1(128.5,110.4) ; v1(131.6,118.2) 131.7,118.1 v1(133.8,118.1) ; v1(137,118.5) 137.5,119 v1(139.25,119)
+3V8: C21.1 C22.1 C23.1 R5.2 TP20.1 U4.7 U5.2 | length 20.9
  Top Layer w0.2: C22.1@102.275,113.126 102.275,114.225 102.65,114.6 R5.2@102.65,117.35
  Top Layer w0.25: 105.35,114.475 105.775,114.9 U4.7@105.775,115.625
  Top Layer w0.5: TP20.1@97.2,113.2 97.237,113.163 99.738,113.163 C23.1@99.775,113.126 99.775,114.15 99.5,114.425 U5.2@99.5,118.85
  Top Layer w0.6: C21.1@104.775,113.126 104.997,113.126 105.35,113.479 105.35,114.475
  Top Layer w0.8: C23.1@99.775,113.126 C22.1@102.275,113.126 C21.1@104.775,113.126
+Vbus: C14.1 F1.1 U2.4 U2.8 | length 101.4
  Top Layer w0.2: U2.8@105.745,99.85 105.745,101.455 105.3,101.9 105.3,103.1 107.15,104.95 107.65,104.95 v1(107.7,105) ; v1(108.9,105) 111.9,105 v1(114.4,102.5) ; C14.1@112.149,93.049 112.149,93.297 112.429,93.577 112.677,93.577 114.4,95.3 v1(114.4,99.5)
  Top Layer w0.6: F1.1@81.75,64.8 81.8,64.75 83.15,64.75 89.2,58.7 113,58.7 116.675,62.375 116.675,90.075 113.701,93.049 112.449,93.049 C14.1@111.65,93.049 111.401,92.8 109.906,92.8 109.555,93.151 U2.4@109.555,94.4
  Bottom Layer w0.2: v1(107.7,105) v1(108.9,105) ; v1(114.4,99.5) v1(114.4,102.5)
BAT_NEG: B1.NEG C25.2 Q2.1 U6.3 | length 27.4
  Top Layer w0.6: 135.475,127.875 136.451,126.899 137.3,126.899 Q2.1@137.3,126.875 ; 135.95,135.875 136,135.825 C25.2@137.473,135.825 137.344,135.696 137.344,135.511 137.3,135.467 U6.3@137.3,133.875
  Top Layer w1.5: B1.NEG@125,140.334 133.191,140.334 135.475,138.05 135.475,135.825 135.475,127.875
BST_EN: R4.1 TP7.1 U3.17 U4.4 | length 63.3
  Top Layer w0.2: U3.17@76,106.4 v1(78,106.4) ; v1(86.9,115.9) 86.95,115.9 91.85,120.8 v1(91.9,120.8) ; v1(93.3,122.2) 96.2,125.1 101.5,125.1 103.1,123.5 103.1,121.6 103.6,121.1 v1(105,121.1) ; v1(104.95,118.15) 105.5,118.15 105.775,117.875 U4.4@105.775,117.225 ; v1(106.1,119.6) 106.1,120.825 106.775,121.5 109.2,121.5 109.475,121.225 109.775,120.925 R4.1@109.775,120.85
  Bottom Layer w0.2: v1(78,106.4) 77.6,106.4 74.05,109.95 74.05,112.974 80.443,119.367 83.528,119.367 86.15,116.745 86.15,116.65 v1(86.9,115.9) ; v1(91.9,120.8) v1(93.3,122.2) ; v1(104.95,118.15) 104.95,118.875 105.284,119.209 105.709,119.209 v1(106.1,119.6) 105.057,120.643 105.057,121.043 v1(105,121.1)
BST_RSTB: U4.5
BST_VIN: C15.1 C19.1 F2.2 L2.1 R4.2 R8.1 R9.1 R11.1 R12.1 R15.2 U2.5 U4.6 U4.10 | length 191.2
  Top Layer w0.2: v1(103.6,122.5) 110.3,122.5 110.6,122.2 111.1,122.2 ; v1(104.5,114.6) 104.5,114.61 104.89,115 105.097,115 105.24,115.143 105.24,115.59 U4.6@105.275,115.625 ; R15.2@109.95,125.975 110.025,125.975 110.325,125.675 110.325,125.6 111.1,124.825 111.1,122.2 ; 111.1,118 111.125,118.025 R4.2@111.125,120.809 ; R4.2@111.1,120.9 111.1,122.2 ; R4.2@111.125,120.85 R4.2@111.125,120.809 ; R4.2@111.425,120.509 R4.2@111.125,120.809 ; 112.175,117.825 112.2,117.8 ; R9.1@142.725,130.25 R8.1@142.725,134.75
  Top Layer w0.5: F2.2@140.1,67.75 140.25,67.75 140.35,67.85 140.35,68 142.725,70.375 R9.1@142.725,130.25
  Top Layer w0.6: U2.5@109.555,99.85 109.555,100.949 109.906,101.3 111.401,101.3 C15.1@111.675,101.026 ; 137.508,67.7 140.05,67.7 F2.2@140.1,67.75
  Top Layer w1: C19.1@109.3,116 109.476,116.176 109.476,117.416 109.886,117.825 114.65,117.825
  Top Layer w1.5: C15.1@111.675,101.026 126.275,101.026
  Top Layer w2: 114.65,117.825 121.775,117.825 126.275,113.325 126.275,101.026 126.275,72.125 130.7,67.7 137.508,67.7
  Bottom Layer w0.2: v1(103.6,122.5) 103.171,122.071 102.771,122.071 102.1,121.4 102.1,117 v1(104.5,114.6)
BTN_1: R13.6 SW1.1 U3.5 | length 178.7
  Top Layer w0.2: v1(56.4,135.4) 58.4,137.4 63.3,137.4 67.6,141.7 109.7,141.7 121.75,129.65 130.85,129.65 136.4,124.1 v1(141,124.1) ; U3.5@66.45,104.5 66.45,103.45 68.45,101.45 68.45,98.045 64.9,94.495 64.9,94.48 64.85,94.43 64.85,90.655 65.305,90.2 v1(66.4,90.2) 66.4,90.281 66.919,90.8 R13.6@68.7,90.8
  Bottom Layer w0.2: v1(56.4,135.4) 56.4,128.65 59,126.05 65.306,126.05 67.5,123.856 67.5,119 63.1,114.6 63.1,107.056 65.878,104.278 66.7,104.278 68.05,102.928 68.05,98.25 70.2,96.1 70.2,91.2 69.2,90.2 v1(66.4,90.2) ; SW1.1@139.25,124.125 139.275,124.1 v1(141,124.1)